# KiCad board Pixy-68000.kicad_pcb
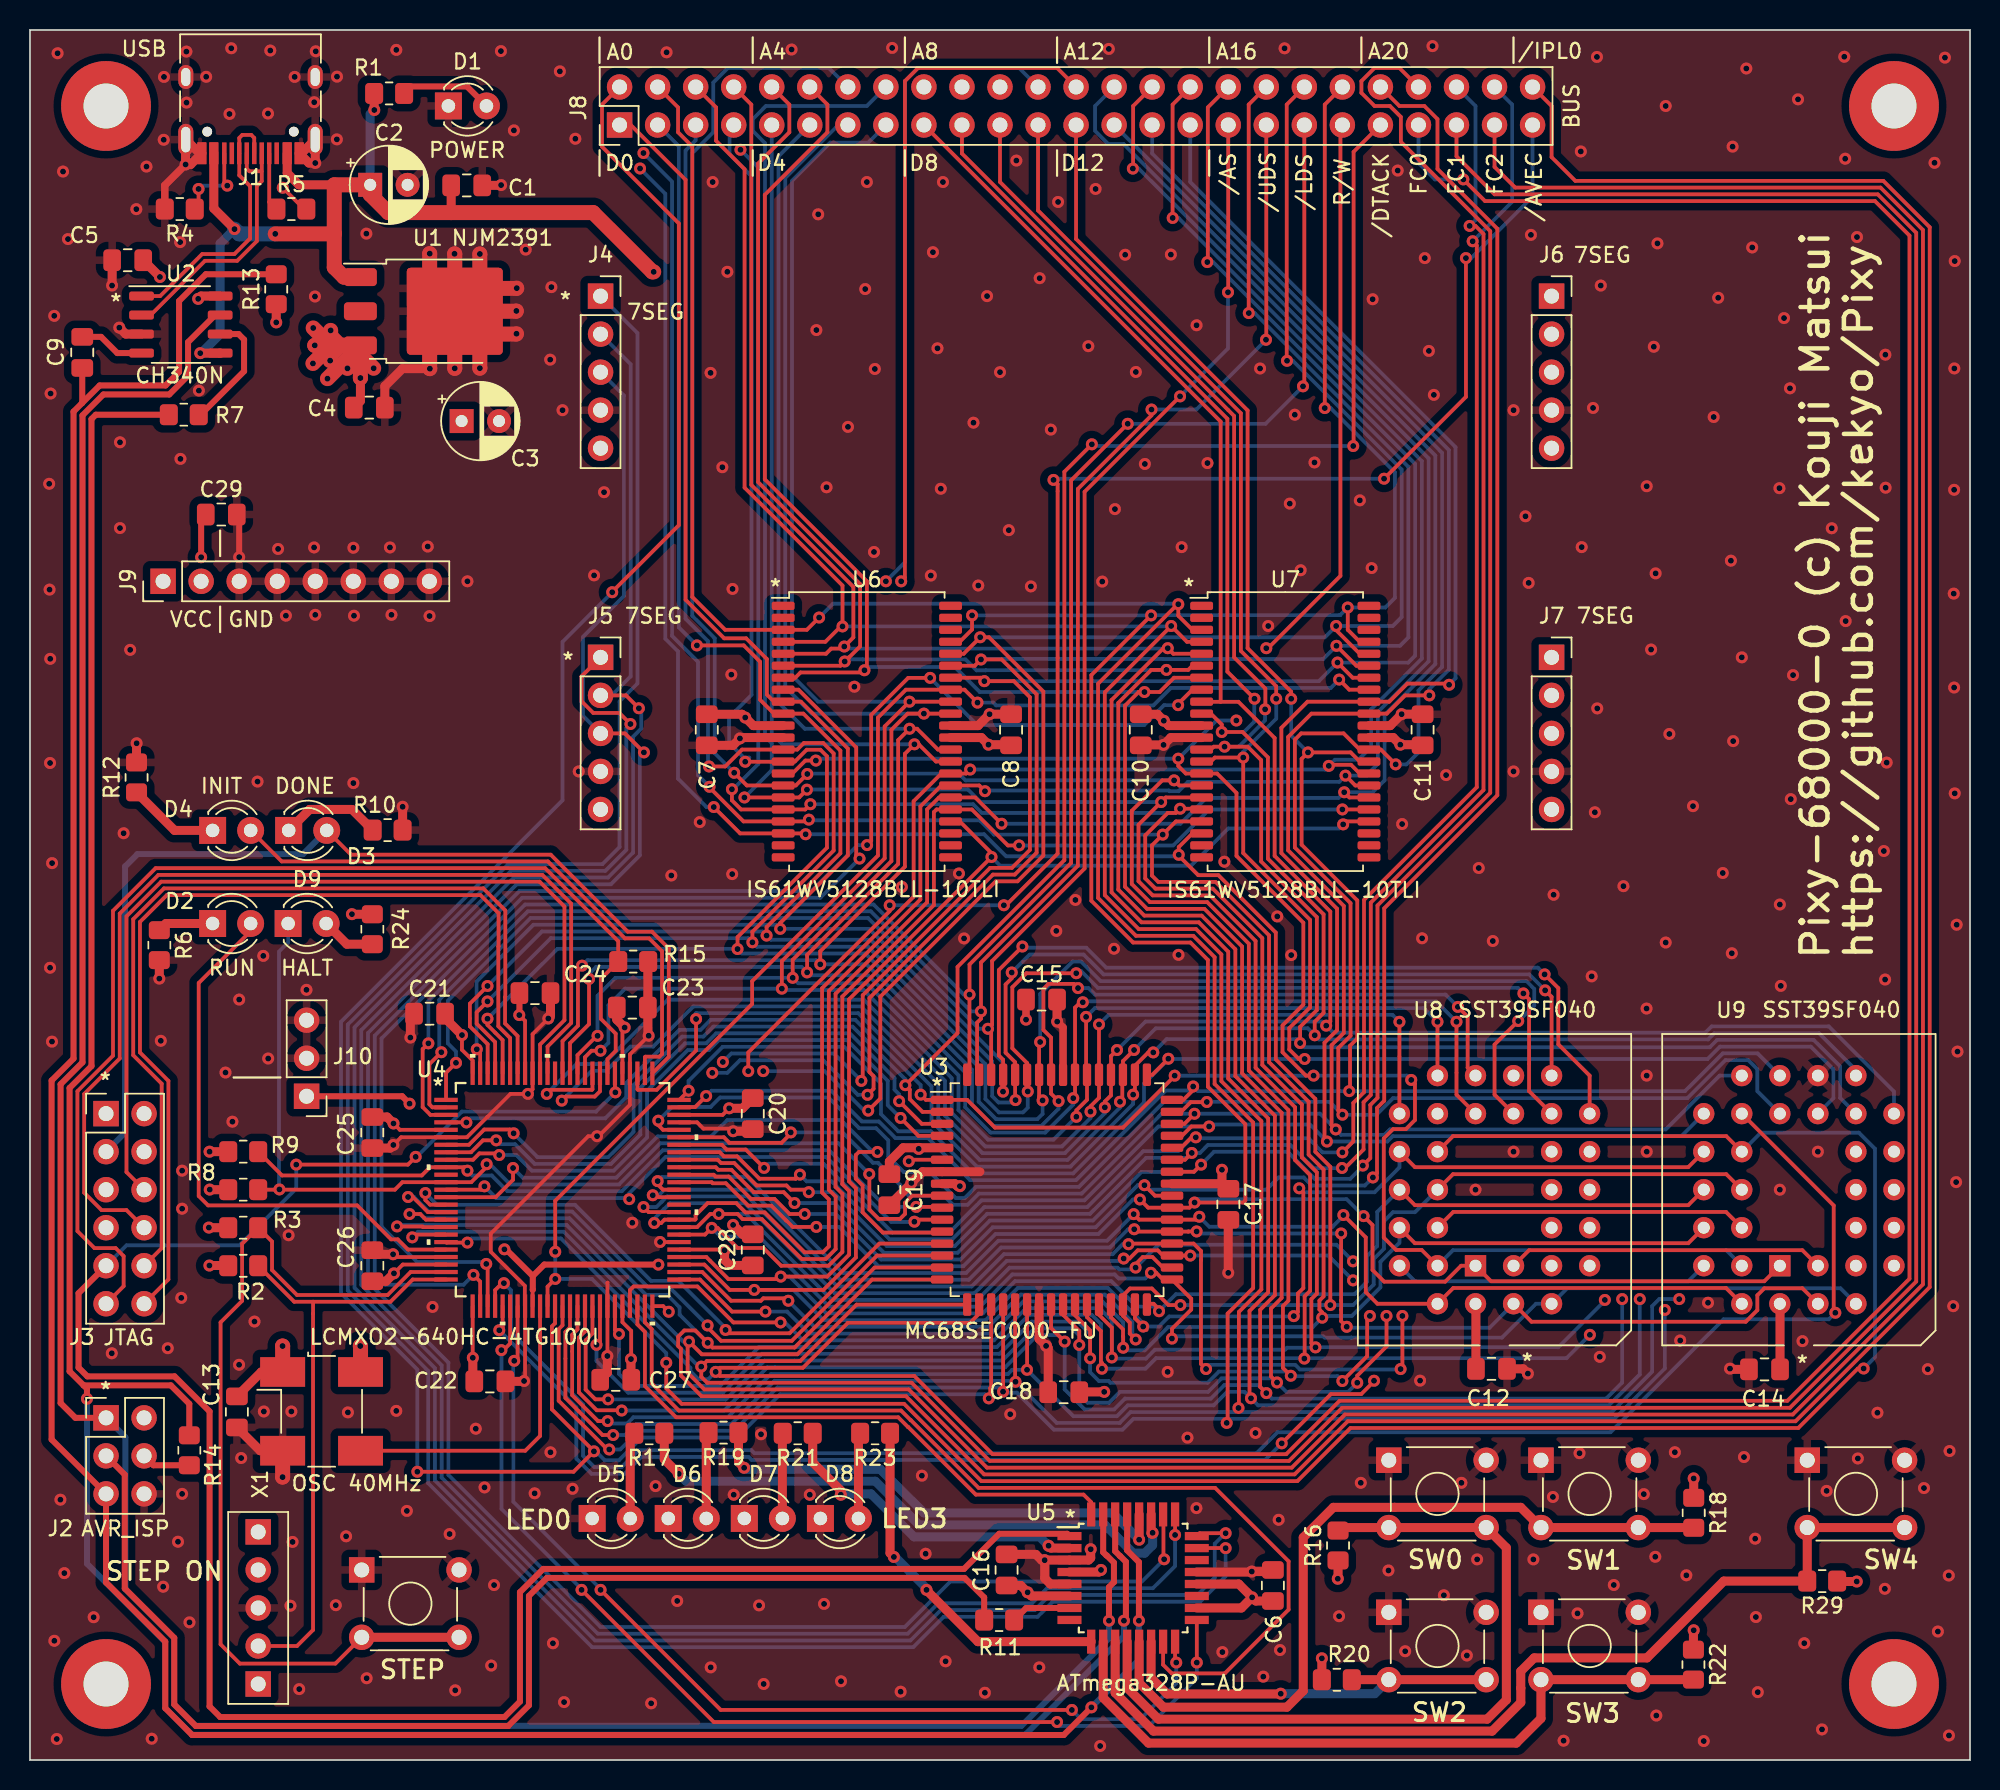
[diagram p0: board, top side]
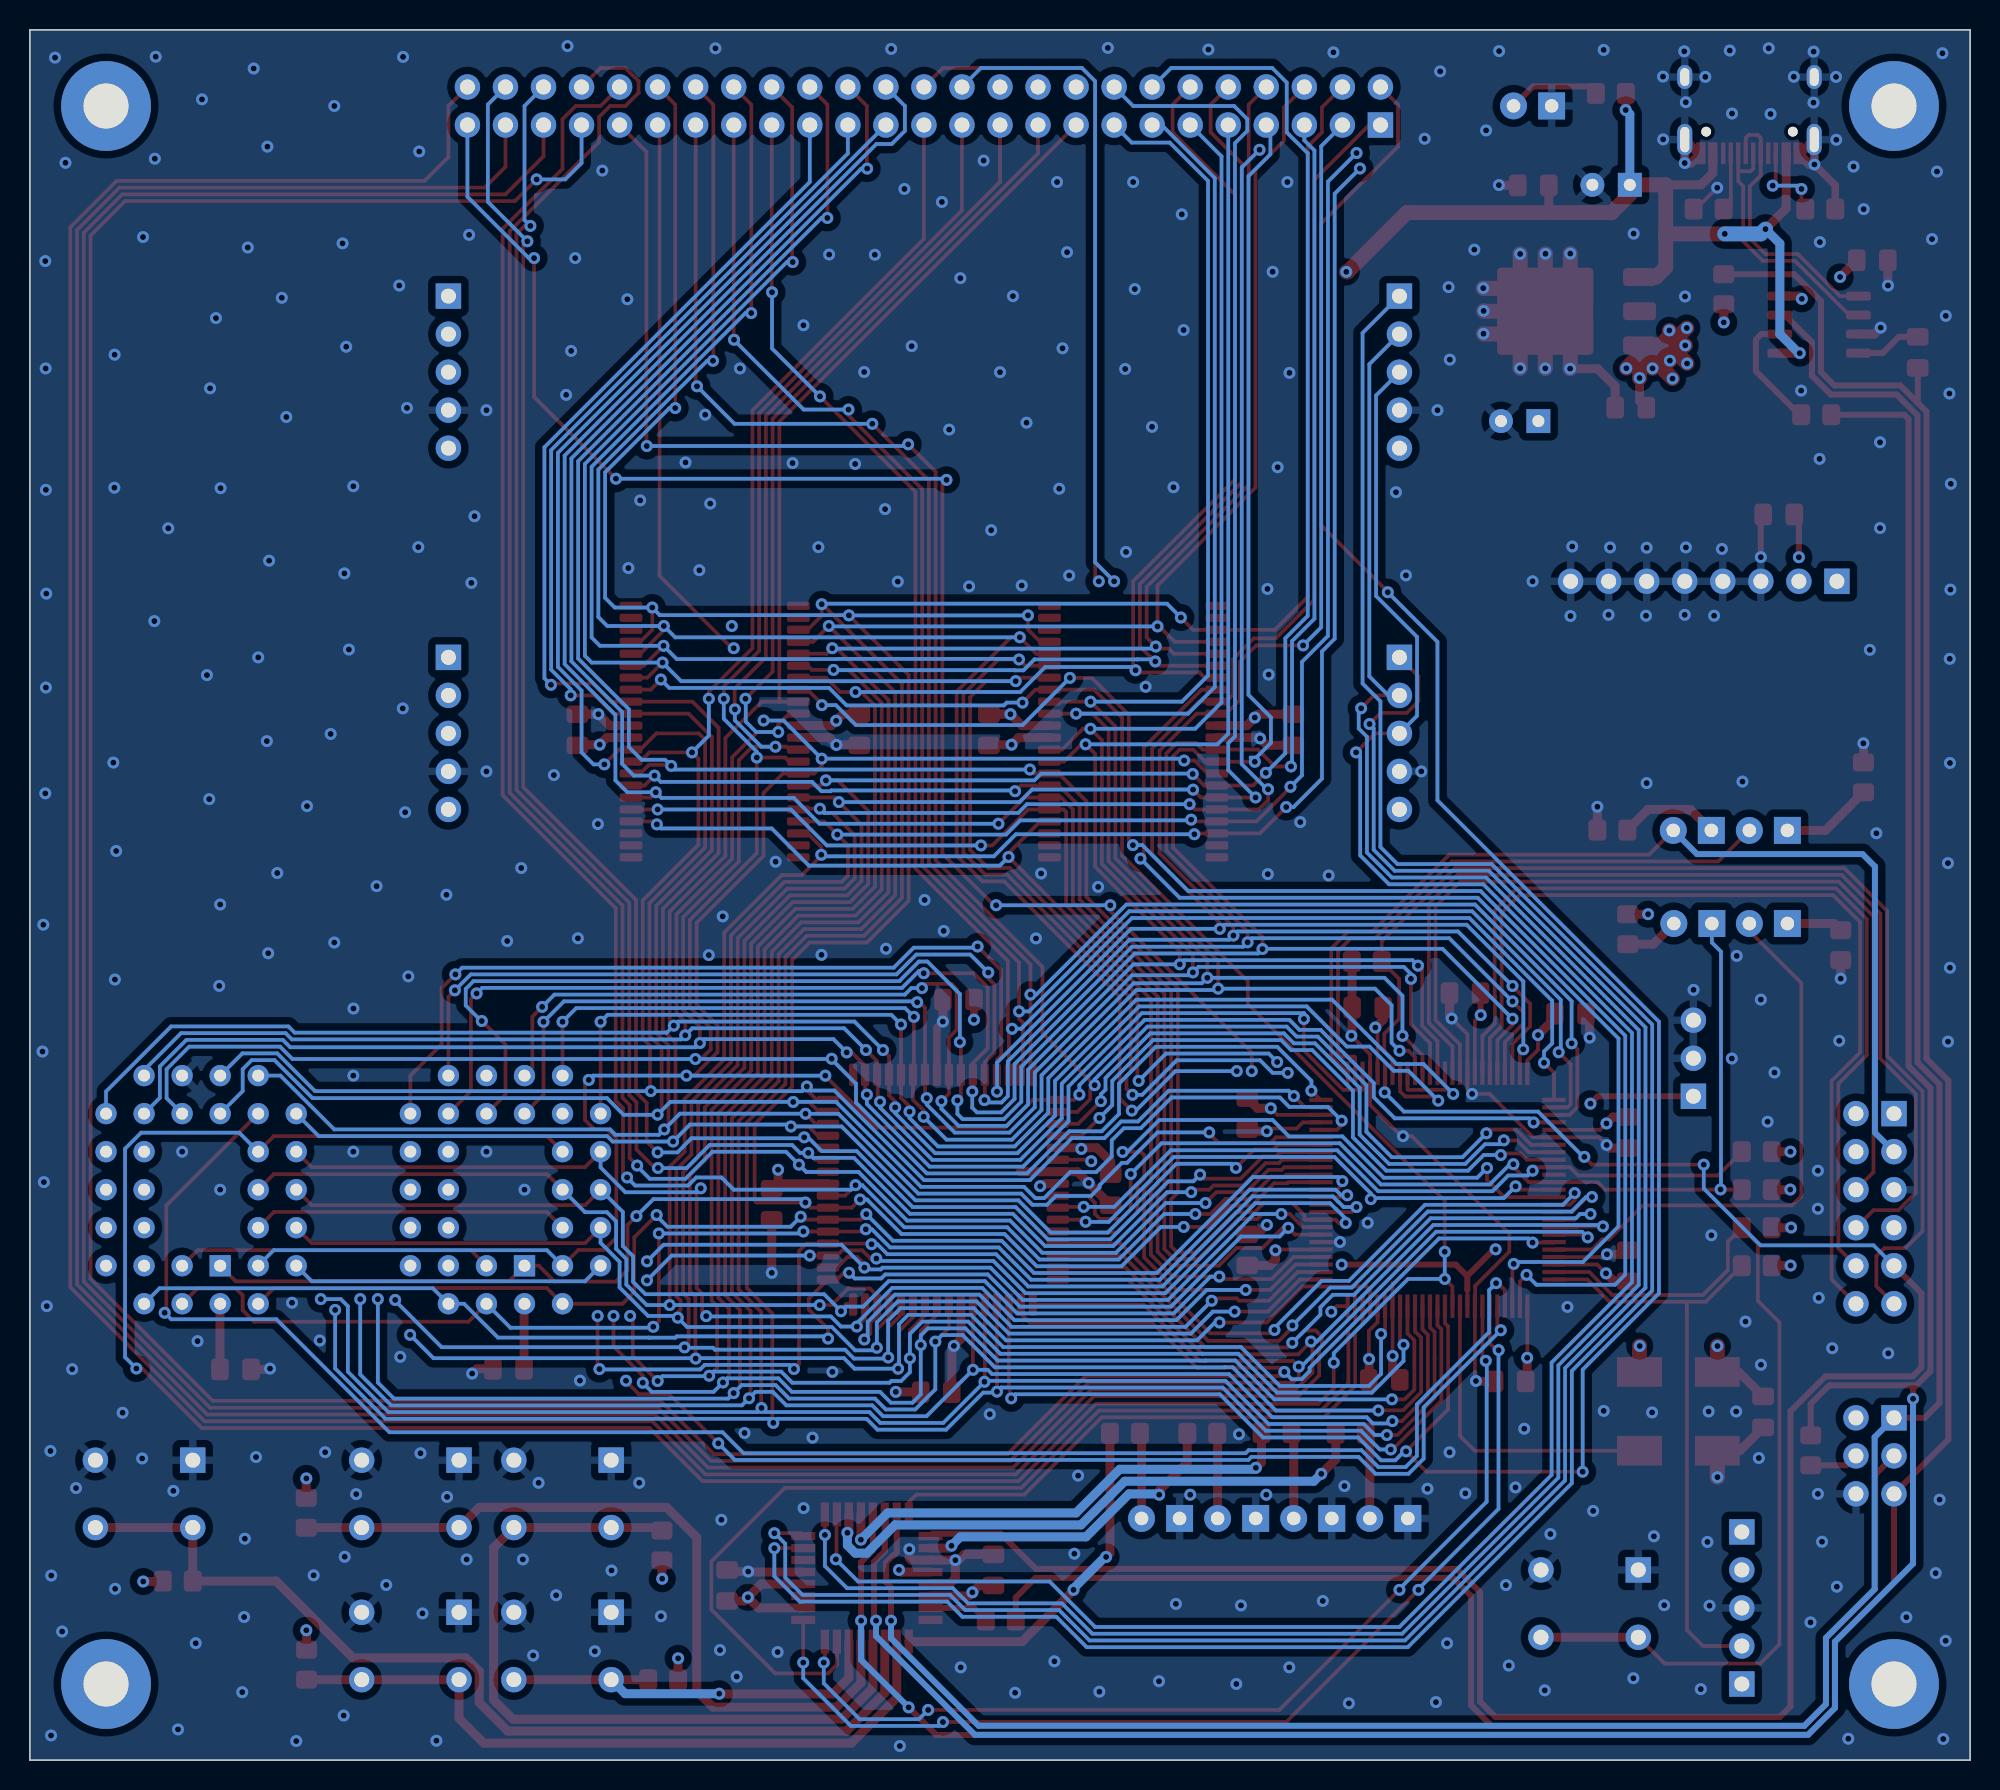
[diagram p1: board, bottom side, seen from below]

Outline 129.54 x 115.57 mm; copper layers: Top, In1.Cu (plane), In2.Cu (plane), Bottom. Coordinates in mm from the lower left corner of the outline.
Outline path: 0,115.57 0,0 129.54,0 129.54,115.57 0,115.57
Stack: Top 0.035mm / dielectric 0.1mm FR4 er 4.5 / In1.Cu 0.035mm / dielectric 1.24mm FR4 er 4.5 / In2.Cu 0.035mm / dielectric 0.1mm FR4 er 4.5 / Bottom 0.035mm

## Placement (name value [footprint] x y rotation side)
C1  0.1u  [C_0805_2012]  29.16 105.19 0 top
C2  100u  [CP_Radial_D5.0mm_P2.50mm]  22.72 105.22 0 top
C3  100u  [CP_Radial_D5.0mm_P2.50mm]  28.82 89.44 0 top
C4  0.1u  [C_0805_2012]  22.66 90.34 0 top
C5  0.1u  [C_0805_2012]  6.53 100.19 180 top
C6  0.1u  [C_0805_2012]  82.99 11.66 90 top
C7  0.1u  [C_0805_2012]  45.19 68.82 270 top
C8  0.1u  [C_0805_2012]  65.51 68.82 90 top
C9  0.1u  [C_0805_2012]  3.49 94.03 270 top
C10  0.1u  [C_0805_2012]  74.17 68.82 270 top
C11  0.1u  [C_0805_2012]  92.99 68.82 90 top
C12  0.1u  [C_0805_2012]  97.58 26.13 0 top
C13  0.1u  [C_0805_2012]  13.82 23.26 270 top
C14  0.1u  [C_0805_2012]  115.82 26.1 180 top
C15  0.1u  [C_0805_2012]  67.54 50.8 0 top
C16  0.1u  [C_0805_2012]  65.21 12.7 90 top
C17  0.1u  [C_0805_2012]  80.02 37.12 270 top
C18  0.1u  [C_0805_2012]  69.03 24.57 180 top
C19  0.1u  [C_0805_2012]  57.38 38.1 270 top
C20  0.1u  [C_0805_2012]  48.26 43.18 270 top
C21  0.1u  [C_0805_2012]  26.68 49.86 180 top
C22  0.1u  [C_0805_2012]  30.71 25.3 0 top
C23  0.1u  [C_0805_2012]  40.22 50.26 0 top
C24  0.1u  [C_0805_2012]  33.72 51.23 0 top
C25  0.1u  [C_0805_2012]  22.86 41.92 270 top
C26  0.1u  [C_0805_2012]  22.86 33.02 90 top
C27  0.1u  [C_0805_2012]  39.11 25.4 180 top
C28  0.1u  [C_0805_2012]  48.26 34.08 90 top
C29  0.1u  [C_0805_2012]  12.77 83.2 0 top
D1  POWER  [LED_D3.0mm]  27.94 110.49 0 top
D2  RUN  [LED_D3.0mm]  12.2 55.88 0 top
D3  DONE  [LED_D3.0mm]  17.28 62.1 0 top
D4  INIT  [LED_D3.0mm]  12.2 62.1 0 top
D5  LED0  [LED_D3.0mm]  37.54 16.14 0 top
D6  LED1  [LED_D3.0mm]  42.62 16.14 0 top
D7  LED2  [LED_D3.0mm]  47.7 16.14 0 top
D8  LED3  [LED_D3.0mm]  52.78 16.14 0 top
D9  HALT  [LED_D3.0mm]  17.24 55.88 0 top
J1  USB  [USB_C_Receptacle_HRO_TYPE-C-31-M-12]  14.73 111.38 180 top
J2  AVR_ISP  [PinHeader_2x03_P2.54mm_Vertical]  5.08 22.86 0 top
J3  JTAG  [PinHeader_2x06_P2.54mm_Vertical]  5.08 43.18 0 top
J4  Socket5  [PinSocket_1x05_P2.54mm_Vertical]  38.1 97.79 0 top
J5  Socket5  [PinSocket_1x05_P2.54mm_Vertical]  38.1 73.66 0 top
J6  Socket5  [PinSocket_1x05_P2.54mm_Vertical]  101.6 97.79 0 top
J7  Socket5  [PinSocket_1x05_P2.54mm_Vertical]  101.6 73.66 0 top
J8  BUS  [PinHeader_2x25_P2.54mm_Vertical]  39.37 109.22 90 top
J9  Header8  [PinHeader_1x08_P2.54mm_Vertical]  8.89 78.74 90 top
J10  Header3  [PinHeader_1x03_P2.54mm_Vertical]  18.47 44.34 180 top
R1  2k  [R_0805_2012]  23.98 111.33 0 top
R2  1.5k  [R_0805_2012]  14.24 33.02 0 top
R3  1.5k  [R_0805_2012]  14.24 35.56 0 top
R4  5.1k  [R_0805_2012]  10 103.6 180 top
R5  5.1k  [R_0805_2012]  17.45 103.6 0 top
R6  2k  [R_0805_2012]  8.64 54.43 270 top
R7  1k  [R_0805_2012]  10.27 89.87 0 top
R8  1.5k  [R_0805_2012]  14.24 38.1 0 top
R9  1.5k  [R_0805_2012]  14.24 40.64 0 top
R10  2k  [R_0805_2012]  23.88 62.12 0 top
R11  1k  [R_0805_2012]  64.71 9.35 180 top
R12  2k  [R_0805_2012]  7.12 65.64 90 top
R13  10k  [R_0805_2012]  16.44 98.25 90 top
R14  1k  [R_0805_2012]  10.64 20.69 270 top
R15  1.5k  [R_0805_2012]  40.28 53.34 0 top
R16  2k  [R_0805_2012]  87.34 14.33 90 top
R17  2k  [R_0805_2012]  41.35 21.83 180 top
R18  2k  [R_0805_2012]  111.09 16.52 270 top
R19  2k  [R_0805_2012]  46.31 21.87 180 top
R20  2k  [R_0805_2012]  87.26 5.36 0 top
R21  2k  [R_0805_2012]  51.26 21.83 180 top
R22  2k  [R_0805_2012]  111.07 6.38 270 top
R23  2k  [R_0805_2012]  56.43 21.83 180 top
R24  2k  [R_0805_2012]  22.86 55.5 270 top
R29  2k  [R_0805_2012]  119.67 11.96 180 top
REF1  -  [MountingHole_3mm_Pad]  5.08 110.49 0 top
REF2  -  [MountingHole_3mm_Pad]  124.46 110.49 0 top
REF3  -  [MountingHole_3mm_Pad]  5.08 5.08 0 top
REF4  -  [MountingHole_3mm_Pad]  124.46 5.08 0 top
SW0  SW0  [TactSwitch]  90.73 20.03 0 top
SW1  SW1  [TactSwitch]  100.89 20.03 0 top
SW2  SW2  [TactSwitch]  90.73 9.87 0 top
SW3  SW3  [TactSwitch]  100.89 9.87 0 top
SW4  SW4  [TactSwitch]  118.67 20.03 0 top
SW_STEP1  STEP  [TactSwitch]  22.15 12.7 0 top
SW_STEPEN1  STEPEN  [SW_Toggle_3P]  15.24 5.08 180 top
U1  NJM2391  [TO-252-3_TabPin4]  27.1 96.78 0 top
U2  CH340N  [SOP-8_3.9x4.9mm_P1.27mm]  10.08 95.89 0 top
U3  -  [MC68SEC000-FU]  68.58 38.1 0 top
U4  LCMXO2-640HC-4TG100I  [TQFP100_LAT-M]  35.56 38.1 0 top
U5  ATmega328P-AU  [TQFP-32_7x7mm_P0.8mm]  73.66 12.16 0 top
U6  IS61WV5128BLL-10TLI  [TSOP-II-44_10.16x18.41mm_P0.8mm]  55.88 68.7 0 top
U7  IS61WV5128BLL-10TLI  [TSOP-II-44_10.16x18.41mm_P0.8mm]  83.82 68.7 0 top
U8  SST39SF040  [PLCC-32_THT-Socket]  96.52 33.02 180 top
U9  SST39SF040  [PLCC-32_THT-Socket]  116.84 33.02 180 top
X1  Oscillator  [Oscillator_SMD_4Pin_7.0x5.0mm_HandSoldering]  19.47 23.29 270 top

## Library data of the parts
C1 C4-C29 = -: Description: Unpolarized capacitor
C2 C3 = -: Description: Polarized capacitor
D1-D9 = -: Description: Light emitting diode
J1 = -: Description: USB 2.0-only Type-C Receptacle connector
J2 = -: Description: AVR ISP Header
J3 = -: Description: Generic connector, double row, 02x06, odd/even pin numbering scheme (row 1 odd numbers, row 2 even numbers), script generated (kicad-library-utils/schlib/autogen/connector/)
J8 = -: Description: Generic connector, double row, 02x25, odd/even pin numbering scheme (row 1 odd numbers, row 2 even numbers), script generated (kicad-library-utils/schlib/autogen/connector/)
R1-R24 R29 = -: Description: Resistor
SW0-SW4 SW_STEP1 = -: Description: Tact switch
SW_STEPEN1 = -: Description: Toggle switch
U1 = -: Description: REG LINEAR 3.3V 1A
U2 = -: Description: USB serial converter, UART, SOP8
U3 = -: Description: 16/32-bit Microprocessor
U5 = -: Description: 20MHz, 32kB Flash, 2048B SRAM, 1024B EEPROM, TQFP-32
U6 U7 = -: Description: 512K x 8 HIGH-SPEED CMOS STATIC RAM, 10ns, 3.3V, TSOP II-44
U8 U9 = -: Description: Silicon Storage Technology (SSF) 512k x 8 Flash ROM
X1 = -: Description: CMOS Clock Oscillator 7.0x5.0

## Footprints (pads in the part's own frame, mm; a bottom-side part is the same pattern mirrored in y, then rotated)
C_0805_2012
  rrect 1.175x1.45 smd: 1(-1.038,0) 2(1.038,0)
CP_Radial_D5.0mm_P2.50mm
  rect 1.6x1.6 hole 0.8: 1(0,0)
  round 1.6 hole 0.8: 2(2.5,0)
LED_D3.0mm
  rect 1.8x1.8 hole 0.9: 1(0,0)
  round 1.8 hole 0.9: 2(2.54,0)
MC68SEC000-FU
  rrect 1.5x0.55 smd: 1(-7.675,6) 2(-7.675,5.2) 3(-7.675,4.4) 4(-7.675,3.6) 5(-7.675,2.8) 6(-7.675,2) 7(-7.675,1.2) 8(-7.675,0.4) 9(-7.675,-0.4) 10(-7.675,-1.2) 11(-7.675,-2) 12(-7.675,-2.8) 13(-7.675,-3.6) 14(-7.675,-4.4) 15(-7.675,-5.2) 16(-7.675,-6) 33(7.675,-6) 34(7.675,-5.2) 35(7.675,-4.4) 36(7.675,-3.6) 37(7.675,-2.8) 38(7.675,-2) 39(7.675,-1.2) 40(7.675,-0.4) 41(7.675,0.4) 42(7.675,1.2) 43(7.675,2) 44(7.675,2.8) 45(7.675,3.6) 46(7.675,4.4) 47(7.675,5.2) 48(7.675,6)
  rrect 0.55x1.5 smd: 17(-6,-7.675) 18(-5.2,-7.675) 19(-4.4,-7.675) 20(-3.6,-7.675) 21(-2.8,-7.675) 22(-2,-7.675) 23(-1.2,-7.675) 24(-0.4,-7.675) 25(0.4,-7.675) 26(1.2,-7.675) 27(2,-7.675) 28(2.8,-7.675) 29(3.6,-7.675) 30(4.4,-7.675) 31(5.2,-7.675) 32(6,-7.675) 49(6,7.675) 50(5.2,7.675) 51(4.4,7.675) 52(3.6,7.675) 53(2.8,7.675) 54(2,7.675) 55(1.2,7.675) 56(0.4,7.675) 57(-0.4,7.675) 58(-1.2,7.675) 59(-2,7.675) 60(-2.8,7.675) 61(-3.6,7.675) 62(-4.4,7.675) 63(-5.2,7.675) 64(-6,7.675)
MountingHole_3mm_Pad
  round 6 hole 3: 1(0,0)
Oscillator_SMD_4Pin_7.0x5.0mm_HandSoldering
  rect 1.98x3 smd: 1(-2.63,-2.6) 2(2.63,-2.6) 3(2.63,2.6) 4(-2.63,2.6)
PinHeader_1x03_P2.54mm_Vertical
  rect 1.7x1.7 hole 1: 1(0,0)
  oval 1.7x1.7 hole 1: 2(0,-2.54) 3(0,-5.08)
PinHeader_1x08_P2.54mm_Vertical
  rect 1.7x1.7 hole 1: 1(0,0)
  oval 1.7x1.7 hole 1: 2(0,-2.54) 3(0,-5.08) 4(0,-7.62) 5(0,-10.16) 6(0,-12.7) 7(0,-15.24) 8(0,-17.78)
PinHeader_2x03_P2.54mm_Vertical
  rect 1.7x1.7 hole 1: 1(0,0)
  oval 1.7x1.7 hole 1: 2(2.54,0) 3(0,-2.54) 4(2.54,-2.54) 5(0,-5.08) 6(2.54,-5.08)
PinHeader_2x06_P2.54mm_Vertical
  rect 1.7x1.7 hole 1: 1(0,0)
  oval 1.7x1.7 hole 1: 2(2.54,0) 3(0,-2.54) 4(2.54,-2.54) 5(0,-5.08) 6(2.54,-5.08) 7(0,-7.62) 8(2.54,-7.62) 9(0,-10.16) 10(2.54,-10.16) 11(0,-12.7) 12(2.54,-12.7)
PinHeader_2x25_P2.54mm_Vertical
  rect 1.7x1.7 hole 1: 1(0,0)
  oval 1.7x1.7 hole 1: 2(2.54,0) 3(0,-2.54) 4(2.54,-2.54) 5(0,-5.08) 6(2.54,-5.08) 7(0,-7.62) 8(2.54,-7.62) 9(0,-10.16) 10(2.54,-10.16) 11(0,-12.7) 12(2.54,-12.7) 13(0,-15.24) 14(2.54,-15.24) 15(0,-17.78) 16(2.54,-17.78) 17(0,-20.32) 18(2.54,-20.32) 19(0,-22.86) 20(2.54,-22.86) 21(0,-25.4) 22(2.54,-25.4) 23(0,-27.94) 24(2.54,-27.94) 25(0,-30.48) 26(2.54,-30.48) 27(0,-33.02) 28(2.54,-33.02) 29(0,-35.56) 30(2.54,-35.56) 31(0,-38.1) 32(2.54,-38.1) 33(0,-40.64) 34(2.54,-40.64) 35(0,-43.18) 36(2.54,-43.18) 37(0,-45.72) 38(2.54,-45.72) 39(0,-48.26) 40(2.54,-48.26) 41(0,-50.8) 42(2.54,-50.8) 43(0,-53.34) 44(2.54,-53.34) 45(0,-55.88) 46(2.54,-55.88) 47(0,-58.42) 48(2.54,-58.42) 49(0,-60.96) 50(2.54,-60.96)
PinSocket_1x05_P2.54mm_Vertical
  rect 1.7x1.7 hole 1: 1(0,0)
  oval 1.7x1.7 hole 1: 2(0,-2.54) 3(0,-5.08) 4(0,-7.62) 5(0,-10.16)
PLCC-32_THT-Socket
  rect 1.422x1.422 hole 0.8: 1(0,0)
  round 1.422 hole 0.8: 2(-2.54,2.54) 3(-2.54,0) 4(-5.08,2.54) 5(-7.62,0) 6(-5.08,0) 7(-7.62,-2.54) 8(-5.08,-2.54) 9(-7.62,-5.08) 10(-5.08,-5.08) 11(-7.62,-7.62) 12(-5.08,-7.62) 13(-7.62,-10.16) 14(-5.08,-12.7) 15(-5.08,-10.16) 16(-2.54,-12.7) 17(-2.54,-10.16) 18(0,-12.7) 19(0,-10.16) 20(2.54,-12.7) 21(5.08,-10.16) 22(2.54,-10.16) 23(5.08,-7.62) 24(2.54,-7.62) 25(5.08,-5.08) 26(2.54,-5.08) 27(5.08,-2.54) 28(2.54,-2.54) 29(5.08,0) 30(2.54,2.54) 31(2.54,0) 32(0,2.54)
R_0805_2012
  rrect 1.2x1.4 smd: 1(-1,0) 2(1,0)
SOP-8_3.9x4.9mm_P1.27mm
  rrect 1.65x0.6 smd: 1(-2.625,1.905) 2(-2.625,0.635) 3(-2.625,-0.635) 4(-2.625,-1.905) 5(2.625,-1.905) 6(2.625,-0.635) 7(2.625,0.635) 8(2.625,1.905)
SW_Toggle_3P
  rect 1.7x1.7 hole 1: (0,0) (0,-10.16)
  oval 1.7x1.7 hole 1: 1(0,-2.54) 2(0,-5.08) 3(0,-7.62)
TactSwitch
  rect 1.7x1.7 hole 1: 1(0,0)
  round 1.7 hole 1: 1(6.5,0) 2(0,-4.5) 2(6.5,-4.5)
TO-252-3_TabPin4
  rrect 2.2x1.2 smd: 1(-5.04,2.28) 2(-5.04,0) 3(-5.04,-2.28)
  rrect 3.05x2.75 smd: 4(-0.415,1.525) 4(-0.415,-1.525) 4(2.935,1.525) 4(2.935,-1.525)
  rrect 6.4x5.8 smd: 4(1.26,0)
TQFP100_LAT-M
  rect 1.562x0.279 smd: 1(-7.779,6) 2(-7.779,5.5) 3(-7.779,5) 4(-7.779,4.5) 5(-7.779,4) 6(-7.779,3.5) 7(-7.779,3) 8(-7.779,2.5) 9(-7.779,2) 10(-7.779,1.5) 11(-7.779,1) 12(-7.779,0.5) 13(-7.779,0) 14(-7.779,-0.5) 15(-7.779,-1) 16(-7.779,-1.5) 17(-7.779,-2) 18(-7.779,-2.5) 19(-7.779,-3) 20(-7.779,-3.5) 21(-7.779,-4) 22(-7.779,-4.5) 23(-7.779,-5) 24(-7.779,-5.5) 25(-7.779,-6) 51(7.779,-6) 52(7.779,-5.5) 53(7.779,-5) 54(7.779,-4.5) 55(7.779,-4) 56(7.779,-3.5) 57(7.779,-3) 58(7.779,-2.5) 59(7.779,-2) 60(7.779,-1.5) 61(7.779,-1) 62(7.779,-0.5) 63(7.779,0) 64(7.779,0.5) 65(7.779,1) 66(7.779,1.5) 67(7.779,2) 68(7.779,2.5) 69(7.779,3) 70(7.779,3.5) 71(7.779,4) 72(7.779,4.5) 73(7.779,5) 74(7.779,5.5) 75(7.779,6)
  rect 0.279x1.562 smd: 26(-6,-7.779) 27(-5.5,-7.779) 28(-5,-7.779) 29(-4.5,-7.779) 30(-4,-7.779) 31(-3.5,-7.779) 32(-3,-7.779) 33(-2.5,-7.779) 34(-2,-7.779) 35(-1.5,-7.779) 36(-1,-7.779) 37(-0.5,-7.779) 38(0,-7.779) 39(0.5,-7.779) 40(1,-7.779) 41(1.5,-7.779) 42(2,-7.779) 43(2.5,-7.779) 44(3,-7.779) 45(3.5,-7.779) 46(4,-7.779) 47(4.5,-7.779) 48(5,-7.779) 49(5.5,-7.779) 50(6,-7.779) 76(6,7.779) 77(5.5,7.779) 78(5,7.779) 79(4.5,7.779) 80(4,7.779) 81(3.5,7.779) 82(3,7.779) 83(2.5,7.779) 84(2,7.779) 85(1.5,7.779) 86(1,7.779) 87(0.5,7.779) 88(0,7.779) 89(-0.5,7.779) 90(-1,7.779) 91(-1.5,7.779) 92(-2,7.779) 93(-2.5,7.779) 94(-3,7.779) 95(-3.5,7.779) 96(-4,7.779) 97(-4.5,7.779) 98(-5,7.779) 99(-5.5,7.779) 100(-6,7.779)
TQFP-32_7x7mm_P0.8mm
  rect 1.6x0.55 smd: 1(-4.25,2.8) 2(-4.25,2) 3(-4.25,1.2) 4(-4.25,0.4) 5(-4.25,-0.4) 6(-4.25,-1.2) 7(-4.25,-2) 8(-4.25,-2.8) 17(4.25,-2.8) 18(4.25,-2) 19(4.25,-1.2) 20(4.25,-0.4) 21(4.25,0.4) 22(4.25,1.2) 23(4.25,2) 24(4.25,2.8)
  rect 0.55x1.6 smd: 9(-2.8,-4.25) 10(-2,-4.25) 11(-1.2,-4.25) 12(-0.4,-4.25) 13(0.4,-4.25) 14(1.2,-4.25) 15(2,-4.25) 16(2.8,-4.25) 25(2.8,4.25) 26(2,4.25) 27(1.2,4.25) 28(0.4,4.25) 29(-0.4,4.25) 30(-1.2,4.25) 31(-2,4.25) 32(-2.8,4.25)
TSOP-II-44_10.16x18.41mm_P0.8mm
  rrect 1.525x0.55 smd: 1(-5.588,8.4) 2(-5.588,7.6) 3(-5.588,6.8) 4(-5.588,6) 5(-5.588,5.2) 6(-5.588,4.4) 7(-5.588,3.6) 8(-5.588,2.8) 9(-5.588,2) 10(-5.588,1.2) 11(-5.588,0.4) 12(-5.588,-0.4) 13(-5.588,-1.2) 14(-5.588,-2) 15(-5.588,-2.8) 16(-5.588,-3.6) 17(-5.588,-4.4) 18(-5.588,-5.2) 19(-5.588,-6) 20(-5.588,-6.8) 21(-5.588,-7.6) 22(-5.588,-8.4) 23(5.588,-8.4) 24(5.588,-7.6) 25(5.588,-6.8) 26(5.588,-6) 27(5.588,-5.2) 28(5.588,-4.4) 29(5.588,-3.6) 30(5.588,-2.8) 31(5.588,-2) 32(5.588,-1.2) 33(5.588,-0.4) 34(5.588,0.4) 35(5.588,1.2) 36(5.588,2) 37(5.588,2.8) 38(5.588,3.6) 39(5.588,4.4) 40(5.588,5.2) 41(5.588,6) 42(5.588,6.8) 43(5.588,7.6) 44(5.588,8.4)
USB_C_Receptacle_HRO_TYPE-C-31-M-12
  round 0.65 hole 0.65 unplated: (-2.89,2.6) (2.89,2.6)
  rect 0.6x1.45 smd: A1(-3.25,4.045) A4(-2.45,4.045) A9(2.45,4.045) A12(3.25,4.045) B1(3.25,4.045) B4(2.45,4.045) B9(-2.45,4.045) B12(-3.25,4.045)
  rect 0.3x1.45 smd: A5(-1.25,4.045) A6(-0.25,4.045) A7(0.25,4.045) A8(1.25,4.045) B5(1.75,4.045) B6(0.75,4.045) B7(-0.75,4.045) B8(-1.75,4.045)
  oval 1x2.1 hole 0.6x1.7: S1(-4.32,3.13) S1(4.32,3.13)
  oval 1x1.6 hole 0.6x1.2: S1(-4.32,-1.05) S1(4.32,-1.05)

## Nets
GND: C1.2 C2.2 C3.2 C4.2 C5.2 C6.2 C7.2 C8.2 C10.2 C11.2 C12.2 C13.2 C14.2 C15.2 C16.2 C17.2 C18.2 C19.2 C20.2 C21.2 C22.2 C23.2 C24.2 C25.2 C26.2 C27.2 C28.2 C29.2 D1.1 D5.1 D6.1 D7.1 D8.1 J1.A1 J1.A12 J1.B1 J1.B12 J1.S1 J2.6 J3.5 J4.4 J5.4 J6.4 J7.4 J9.3 J9.4 J9.5 J9.6 J9.7 J9.8 J10.2 J10.3 R4.2 R5.2 R6.2 R10.2 R12.2 R15.2 SW0.1 SW1.1 SW2.1 SW3.1 SW4.1 SW_STEP1.1 SW_STEPEN1.2 U1.4 U2.3 U3.7 U3.23 U3.56 U4.6 U4.22 U4.33 U4.44 U4.56 U4.72 U4.79 U4.92 U5.3 U5.5 U5.21 U6.12 U6.34 U7.12 U7.34 U8.16 U9.16 X1.2
VCC: C3.1 C4.1 C5.1 C6.1 C7.1 C8.1 C10.1 C11.1 C12.1 C13.1 C14.1 C15.1 C16.1 C17.1 C18.1 C19.1 C20.1 C21.1 C22.1 C23.1 C24.1 C25.1 C26.1 C27.1 C28.1 C29.1 J2.2 J9.1 J9.2 R2.1 R3.1 R8.1 R9.1 R13.1 R16.1 R18.1 R20.1 R22.1 R24.1 R29.1 U1.3 U2.8 U3.5 U3.8 U3.41 U4.5 U4.23 U4.26 U4.46 U4.50 U4.55 U4.73 U4.80 U4.93 U4.100 U5.4 U5.6 U5.18 U5.20 U6.11 U6.33 U7.11 U7.33 U8.32 U9.32 X1.1 X1.4
VDD: C1.1 C2.1 J1.A4 J1.A9 J1.B4 J1.B9 J4.5 J5.5 R1.1 U1.1 U2.5
//AS: J8.33 U3.62 U4.1
//AVEC: J8.49 U3.11 U4.13
//BERR: U3.12 U4.14
//BG: U3.3 U4.8
//BR: U3.4 U4.9
//DTACK: J8.41 U3.2 U4.7
//HALT: D9.1 R8.2 U3.9 U4.12
//IPL0: J8.50 U3.15 U4.17
//IPL1: U3.14 U4.16
//IPL2: U3.13 U4.15
//LDS: J8.37 U3.64 U4.3
//OE: U4.36 U6.37 U7.37 U8.24 U9.24
//PROMCS0: U4.29 U9.22
//PROMCS1: U4.30 U8.22
//RESET: R9.2 U3.10 U4.10
//RESETAVR: C9.2 J2.5 R13.2 U5.29
//SRAMCS0: U4.27 U7.8
//SRAMCS1: U4.28 U6.8
//STEP: R3.2 SW_STEP1.2 U4.24
//STEPEN: R2.2 SW_STEPEN1.1 U4.25
//SW0: R16.2 SW0.2 U5.12
//SW1: R18.2 SW1.2 U5.13
//SW2: R20.2 SW2.2 U5.14
//SW3: R22.2 SW3.2 U5.10
//SW4: R29.2 SW4.2 U5.11
//UDS: J8.35 U3.63 U4.2
/A0: J8.2 U3.19 U4.37
/A1: J8.4 U3.20 U4.38 U6.3 U7.3 U8.12 U9.12
/A2: J8.6 U3.21 U4.39 U6.4 U7.4 U8.11 U9.11
/A3: J8.8 U3.22 U4.40 U6.5 U7.5 U8.10 U9.10
/A4: J8.10 U3.24 U4.41 U6.6 U7.6 U8.9 U9.9
/A5: J8.12 U3.25 U4.42 U6.7 U7.7 U8.8 U9.8
/A6: J8.14 U3.26 U4.43 U6.16 U7.16 U8.7 U9.7
/A7: J8.16 U3.27 U4.45 U6.17 U7.17 U8.6 U9.6
/A8: J8.18 U3.28 U4.47 U6.18 U7.18 U8.5 U9.5
/A9: J8.20 U3.29 U4.51 U6.19 U7.19 U8.27 U9.27
/A10: J8.22 U3.30 U4.52 U6.20 U7.20 U8.26 U9.26
/A11: J8.24 U3.31 U4.53 U6.26 U7.26 U8.23 U9.23
/A12: J8.26 U3.32 U4.54 U6.27 U7.27 U8.25 U9.25
/A13: J8.28 U3.33 U4.57 U6.28 U7.28 U8.4 U9.4
/A14: J8.30 U3.34 U4.58 U6.29 U7.29 U8.28 U9.28
/A15: J8.32 U3.35 U4.59 U6.30 U7.30 U8.29 U9.29
/A16: J8.34 U3.36 U4.60 U6.38 U7.38 U8.3 U9.3
/A17: J8.36 U3.37 U4.62 U6.39 U7.39 U8.2 U9.2
/A18: J8.38 U3.38 U4.63 U6.40 U7.40 U8.30 U9.30
/A19: J8.40 U3.39 U4.64 U6.41 U7.41 U8.1 U9.1
/A20: J8.42 U3.40 U4.65
/A21: J8.44 U3.42 U4.66
/A22: J8.46 U3.43 U4.67
/A23: J8.48 U3.44 U4.68
/CPUCLK: J10.1 U3.6 U4.34
/D0: J8.1 U3.61 U4.99 U6.9 U8.13
/D1: J8.3 U3.60 U4.98 U6.10 U8.14
/D2: J8.5 U3.59 U4.97 U6.13 U8.15
/D3: J8.7 U3.58 U4.96 U6.14 U8.17
/D4: J8.9 U3.57 U4.88 U6.31 U8.18
/D5: J8.11 U3.55 U4.87 U6.32 U8.19
/D6: J8.13 U3.54 U4.86 U6.35 U8.20
/D7: J8.15 U3.53 U4.85 U6.36 U8.21
/D8: J8.17 U3.52 U4.84 U7.9 U9.13
/D9: J8.19 U3.51 U4.83 U7.10 U9.14
/D10: J8.21 U3.50 U4.78 U7.13 U9.15
/D11: J8.23 U3.49 U4.75 U7.14 U9.17
/D12: J8.25 U3.48 U4.74 U7.31 U9.18
/D13: J8.27 U3.47 U4.71 U7.32 U9.19
/D14: J8.29 U3.46 U4.70 U7.35 U9.20
/D15: J8.31 U3.45 U4.69 U7.36 U9.21
/DONE: D3.2 J3.3 U4.76
/FC0: J8.43 U3.18 U4.20
/FC1: J8.45 U3.17 U4.19
/FC2: J8.47 U3.16 U4.18
/INITN: D4.2 U4.77
/JTAGENB: J3.11 R15.1 U4.82
/LED0: R17.1 U5.27
/LED1: R19.1 U5.28
/LED2: R21.1 U5.2
/LED3: R23.1 U5.9
/LEDDIO0: J4.1 U5.23
/LEDDIO1: J5.1 U5.24
/LEDRCK: J4.3 J5.3 U5.26
/LEDSCK: J4.2 J5.2 U5.25
/MCLK: U4.35 X1.3
/PROGRAMN: J3.9 U4.81 U5.1
/R/W: J8.39 U3.1 U4.4 U6.15 U7.15 U8.31 U9.31
/REQINT: U4.48 U5.32
/RUN: D2.2 U4.21
/RXDAVR: R7.1 R14.1 U5.30
/SCK: R11.1 U5.7
/SPICLK: U4.31 U5.17
/SPISI: U4.49 U5.15
/SPISO: U4.32 U5.16
/TCK: J3.6 U4.91
/TDI: J3.10 U4.94
/TDO: J3.12 U4.95
/TMS: J3.8 U4.90
/TXDAVR: J2.1 U2.7 U5.31
Net-(D1-A): D1.2 R1.2
Net-(D2-K): D2.1 R6.1
Net-(D3-K): D3.1 R10.1
Net-(D4-K): D4.1 R12.1
Net-(D5-A): D5.2 R17.2
Net-(D6-A): D6.2 R19.2
Net-(D7-A): D7.2 R21.2
Net-(D8-A): D8.2 R23.2
Net-(D9-A): D9.2 R24.2
Net-(J1-CC1): J1.A5 R5.1
Net-(J1-CC2): J1.B5 R4.1
Net-(J2-MOSI): J2.4 R14.2
Net-(J2-SCK): J2.3 R11.2
Net-(U2-TXD): R7.2 U2.6
Net-(U2-UD+): J1.A6 J1.B6 U2.1
Net-(U2-UD-): J1.A7 J1.B7 U2.2
Net-(U2-~{RTS}): C9.1 U2.4

Pads without a net: J1 A8 B8; J3 1 2 4 7; J6 1 2 3 5; J7 1 2 3 5; REF1 1; REF2 1; REF3 1; REF4 1; SW_STEPEN1 3; U1 2; U4 11 61 89; U5 8 19 22; U6 1 2 21 22 23 24 25 42 43 44; U7 1 2 21 22 23 24 25 42 43 44

## Via types
v1: diameter 0.8, hole 0.4, Top to Bottom, 778 vias
